# KiCad board delta48m.kicad_pcb (continued)
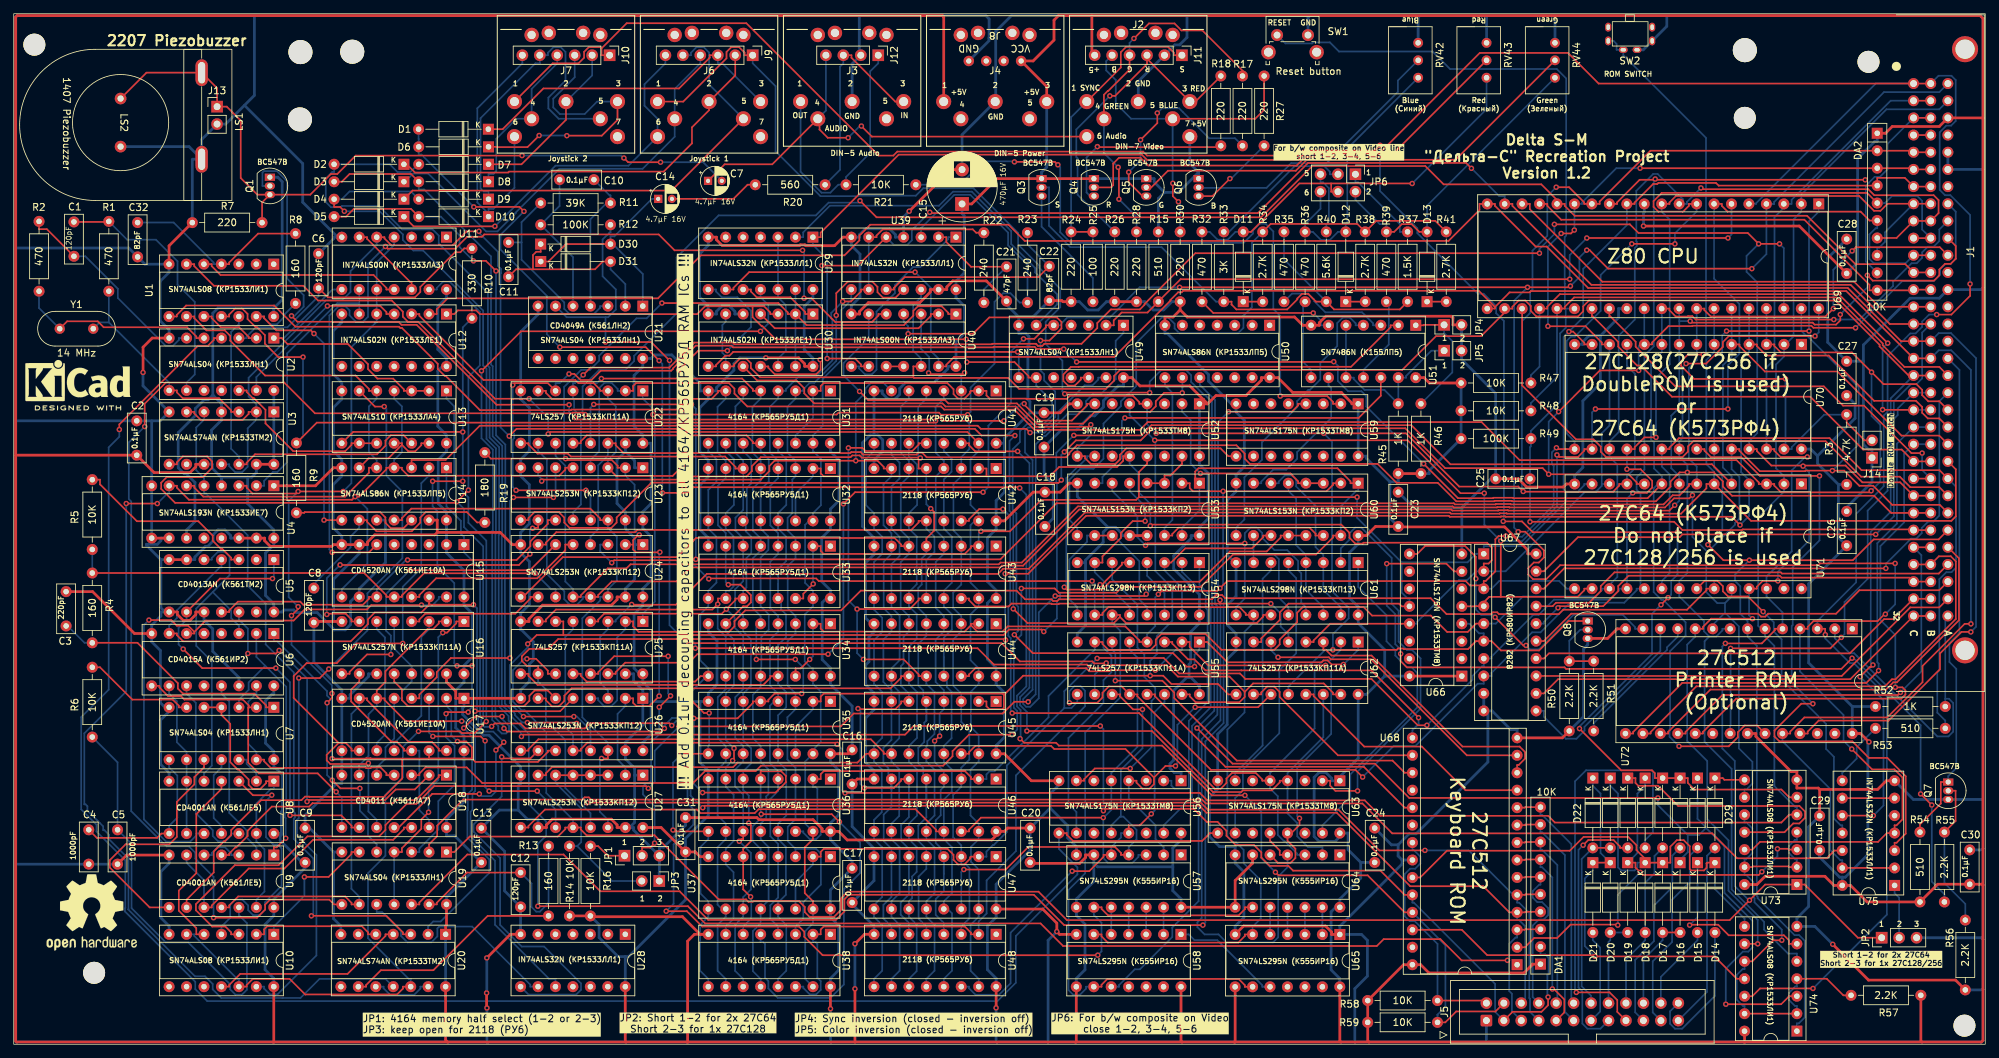
[diagram p0: board, top side]
## Routing (per net, layer and track width the routed paths; a pad name or vN(x,y) marks a point on that pad's centre or on a via; arc(x,y) is an arc through that point) (continued)
Net-(U7-Pad10): length 36.2
  Top w0.25: U9.8 19.78,19.92 13.98,25.72 13.98,26.8 16.29,29.11 22.66,29.11 23.75,30.19 23.75,35.28 26.29,37.82 26.29,38.88 27.7,40.29 U7.10
Net-(U7-Pad11): length 11.7
  Bottom w0.25: U7.11 30.24,40.29 29.11,39.16 29.11,32.93 30.24,31.8 U8.11
Net-(U7-Pad12): length 4.8
  Bottom w0.25: U8.2 35.32,39.42 33.91,40.83 33.91,41.42 U7.12
Net-(U9-Pad3): length 6.3
  Bottom w0.25: U9.5 28.83,27.54 28.83,27.82 29.69,28.69 30.74,28.69 31.65,27.77 31.65,27.54 U9.3
Net-(U10-Pad1): length 19.9
  Top w0.25: v1(42.31,24.36) 45.83,24.36 49.17,27.7 49.17,27.98 U19.6
  Bottom w0.25: v1(42.31,24.36) 42.31,21.58 37.86,17.13 U10.1
Net-(U10-Pad3): length 207.7
  Top w0.25: v1(147.67,49.85) 145.66,49.85 143.95,48.14 122.27,48.14 120.39,46.26 v1(96.85,46.26) ; U10.3 31.65,16 31.65,16.29 30.8,17.13 28.89,17.13 26.52,19.5 26.52,20.4 32.19,26.06 38.56,26.06 42.75,30.26 53.19,30.26 54.11,31.18 54.11,31.91 57.19,34.99 58.62,34.99 61.2,37.58 92.05,37.58 v1(92.37,37.25)
  Bottom w0.25: v1(147.67,49.85) 148.77,50.95 148.77,87.32 150,88.55 150.2,88.55 153.36,91.71 153.36,91.71 154.97,91.71 156.09,92.83 156.09,93.62 157.11,94.63 158.24,94.63 160.42,96.81 160.42,102.4 161.54,103.52 U49.1 ; v1(92.37,37.25) 93.3,38.18 93.3,42.72 v1(96.85,46.26)
Net-(U10-Pad4): length 36.8
  Top w0.25: U8.3 34.82,36.26 v1(37.56,36.26)
  Bottom w0.25: v1(37.56,36.26) 36.72,35.41 36.72,30.14 37.78,29.08 38.41,29.08 38.99,28.5 38.99,23.08 36.59,20.68 36.59,19.58 35.81,18.79 34.85,18.79 34.12,19.52 34.12,20.21 33.28,21.06 32.28,21.06 31.51,20.29 31.51,18.41 30.24,17.13 U10.4
Net-(U10-Pad5): length 27
  Top w0.25: U10.5 26.57,16 26.57,16.9 24.03,19.44 24.03,22.37 26.57,24.91 26.57,33.5 30.24,37.16 U8.4
Net-(U10-Pad13): length 106.6
  Top w0.25: v1(45.87,54.62) 44.55,53.3 v1(41.5,53.3) ; U13.6 52.58,92.82 v1(53.93,92.82)
  Bottom w0.25: U10.13 36.44,8.39 36.44,8.1 37.3,7.24 38.38,7.24 44.06,12.93 44.06,27.55 41.25,30.36 41.25,32.68 41.5,32.93 v1(41.5,53.3) ; v1(53.93,92.82) 54.25,92.5 54.25,82.76 56.57,80.43 56.57,70.73 51.49,65.64 51.49,60.24 v1(45.87,54.62)
Net-(U11-Pad8): length 39.2
  Top w0.25: 60.46,95.1 56.79,95.1 56.79,95.34 55.24,96.89 52.95,96.89 51.57,98.27 51.57,99 48.64,101.93 39.85,101.93 38.99,102.79 U2.1
  Bottom w0.25: 47.76,109.86 46.39,109.86 39.32,102.79 U2.1
Net-(U11-Pad12): length 11.6
  Top w0.25: U11.6 51.42,117.48 51.42,117.24 57.68,110.98 57.92,110.98 57.92,109.86
Net-(U12-Pad4): length 26.9
  Top w0.25: U12.4 54.25,106.29 54.25,106.57 53.36,107.47 v1(45.67,107.47)
  Bottom w0.25: U2.13 35.32,97.12 v1(45.67,107.47)
Net-(U13-Pad10): length 25.6
  Top w0.25: 52.84,87.48 U13.9 49.17,87.48 49.17,87.25 48.25,86.33 40.69,86.33 36.65,90.37 36.65,92.35 34.95,94.04 34.82,94.04 33.91,94.96 33.91,95.17 U2.12
Net-(U13-Pad11): length 13.9
  Top w0.25: U14.6 51.66,85.28 54.54,85.28 56.5,87.25 ; 56.5,87.25 57.43,86.32 58.45,86.32 59.33,87.2 59.33,87.48 60.46,87.48 ; 56.5,87.25 56.5,87.48 U13.11
Net-(U14-Pad3): length 108.8
  Top w0.25: U14.3 57.91,85.04 62.85,85.04 67.84,90.03 140.33,90.03 140.78,89.58 147.41,89.58 v1(147.95,89.03)
  Bottom w0.25: U49.13 157.88,97.03 157.88,96.75 157.03,95.9 155.88,95.9 152.06,92.08 152.06,91.04 150.05,89.03 v1(147.95,89.03)
Net-(U15A-Q4): length 144.4
  Top w0.25: v1(115.05,108.6) 116.12,108.6 119.59,105.13 124.93,105.13 125.88,106.08 125.88,106.29 U40.5 ; v1(54.11,116.12) 54.44,115.79 64.26,115.79 66,117.53 68.15,117.53 68.5,117.88 93.89,117.88 96.2,115.57 v1(114.84,115.57) ; U15.6 51.72,71.6 v1(46.36,71.6)
  Bottom w0.25: v1(114.84,115.57) 115.05,115.35 v1(115.05,108.6) ; v1(46.36,71.6) 45.95,72 45.95,106.09 47.29,107.42 48.29,107.42 48.88,106.82 48.88,106.1 49.82,105.16 50.84,105.16 51.57,105.89 51.57,113.58 v1(54.11,116.12)
Net-(U15B-Reset): length 87.7
  Top w0.25: 26.29,60.02 25.4,60.92 23.75,60.92 22.92,61.75 v1(19.68,61.75) ; 26.29,60.02 26.29,59.79 U6.6 ; 26.29,60.02 27.94,61.68 40.73,61.68 42.35,63.29 42.35,63.29 51.42,63.29 52.05,63.93 v1(59.36,63.93)
  Bottom w0.25: U15.15 61.88,65.11 61.88,64.83 60.98,63.93 v1(59.36,63.93) ; v1(19.68,61.75) 18.95,61.01 18.95,32.73 22.18,29.5 25.69,29.5 26.57,30.39 26.57,30.67 U8.10
Net-(U16-I0b): length 26.2
  Bottom w0.25: 52.84,39.17 52.84,40.29 54.11,41.57 54.11,43.23 55.38,44.5 U17.5 56.51,50.35 56.51,51.38 57.92,52.79 U16.13 57.92,55.05 55.38,57.59 U16.5
Net-(U16-I1a): length 20.9
  Bottom w0.25: U16.3 60.46,60.41 59.33,59.29 59.33,47.81 55.38,43.86 U17.12
Net-(U16-I1b): length 19.8
  Bottom w0.25: U16.6 52.84,60.41 54.04,59.22 54.04,45.06 52.84,43.86 U17.11
Net-(U18-Pad12): length 44
  Top w0.25: 57.92,31.55 56.79,31.55 56.79,31.31 55.24,29.76 43.58,29.76 39.4,25.58 34.21,25.58 28.83,20.2 28.83,19.92 U9.10
  Bottom w0.25: U9.10 27.7,23.87 25.16,26.41 U9.6
Net-(U19-Pad2): length 214.7
  Top w0.25: U75.12 265.06,28.2 263.93,27.08 250.86,27.08 247.24,30.7 200.67,30.7 196.32,35.05 173.55,35.05 172.98,35.62 84.03,35.62 83.71,35.94 83.1,35.94 82.78,35.62 65.44,35.62 61.64,31.82 61.64,30.29 60.46,29.11 60.46,27.98
Net-(U19-Pad10): length 32.3
  Bottom w0.25: 52.84,20.36 52.84,19.23 53.63,19.23 56.37,16.49 56.37,15.77 57.3,14.84 60.8,14.84 61.67,15.71 61.67,16.87 61.93,17.13 66.73,17.13 75.2,8.67 75.2,8.39 U28.9
Net-(U20A-C): length 97
  Top w0.25: U20.3 56.66,16 56.66,16.29 54.25,18.7 v1(43.33,18.7)
  Bottom w0.25: U3.5 27.7,90.91 26.57,89.78 26.57,83.55 27.7,82.42 U4.5 27.7,80.16 27.98,80.16 34.05,74.1 34.05,66.76 36.67,64.14 36.67,58.21 40.77,54.11 40.77,33.79 40.94,33.61 40.94,33.01 40.77,32.84 40.77,29.89 43.61,27.05 43.61,18.97 v1(43.33,18.7)
Net-(U20A-Q): length 18.9
  Top w0.25: U10.2 36.44,16 36.44,16.72 36.91,17.18 50.68,17.18 51.58,16.29 51.58,16 U20.5
Net-(U20A-~{S}): length 28.4
  Top w0.25: U20.4 54.12,16 54.12,15.77 48.58,10.24 32.97,10.24 31.36,8.63 31.36,8.39 U10.11
Net-(U20B-D): length 142.9
  Top w0.25: U20.12 56.66,8.39 56.66,8.1 55.8,7.24 42.44,7.24 40.16,9.52 34.8,9.52 33.9,8.62 33.9,8.39 U10.12 ; v1(58.92,45.55) 64.96,45.55 65.21,45.3 67.1,45.3 v1(68.79,46.98)
  Bottom w0.25: U13.1 63,93.98 64.12,92.85 64.12,81.66 66.18,79.6 66.18,75.92 68.79,73.31 68.79,46.98 v1(68.79,46.98) ; U10.12 32.78,9.51 32.54,9.51 26.28,15.77 26.28,16 U10.6 ; v1(58.92,45.55) 56.65,43.28 56.65,38.84 54.11,36.3 54.11,27.45 51.57,24.91 51.57,15.45 57.5,9.51 57.79,9.51 U20.12
Net-(U20B-Q): length 32.1
  Top w0.25: R13.2 68.99,18.68 61.09,10.78 53.45,10.78 51.29,8.62 51.29,8.39 U20.9
Net-(U20B-~{R}): length 8.9
  Bottom w0.25: U20.10 53.83,8.39 53.83,8.15 54.78,7.2 58.3,7.2 59.2,8.1 59.2,8.39 U20.13
Net-(U29-Pad2): length 54.7
  Bottom w0.25: U49.6 151.88,107.69 151.88,109.16 148.69,112.35 148.69,112.99 145.2,116.48 145.2,118.37 139.47,124.1 136.73,124.1 134.69,122.06 118.8,122.06 114.92,118.18 114.92,117.48 113.8,117.48
Net-(U29-Pad10): length 12
  Top w0.25: U30.1 115.21,106.29 115.21,106.57 113.05,108.73 108.15,108.73 107.3,109.58 107.3,109.86 106.18,109.86
Net-(U29-Pad12): length 19.8
  Bottom w0.25: U30.12 111.26,99.8 112.4,100.94 112.4,107.59 111.26,108.73 U29.12 U29.3
Net-(U30-Pad4): length 27.8
  Top w0.25: U30.4 110.78,104.23 131.72,104.23 133.5,106.01 133.5,106.29 U40.2
Net-(U30-Pad8): length 49.8
  Top w0.25: U30.8 102.22,98.67 102.22,98.86 103.59,100.23 104.18,100.23 104.73,100.78 v1(146.14,100.78)
  Bottom w0.25: v1(146.14,100.78) 146.3,100.61 U49.8
Net-(U39-Pad1): length 30
  Bottom w0.25: U40.8 123.05,98.67 123.05,98.39 123.94,97.5 124.91,97.5 125.59,98.18 125.59,106.64 128.28,109.33 128.28,110.49 130.91,113.12 131.96,113.12 136.04,117.2 136.04,117.48 U39.1
Net-(U40-Pad6): length 67.2
  Top w0.25: v1(170.11,94.82) 167.46,94.82 166.25,93.61 166.25,92.87 165.44,92.05 157.38,92.05 155.66,90.33 148.98,90.33 146.03,93.28 136.05,93.28 135.59,93.75 124.4,93.75 v1(123.13,95.02)
  Bottom w0.25: U40.6 124.47,102.8 120.8,99.14 120.8,97.35 v1(123.13,95.02) ; U50.9 170.12,94.83 v1(170.11,94.82)
Net-(U40-Pad10): length 2.5
  Top w0.25: U40.11 U40.10
Net-(U49-Pad12): length 57.4
  Top w0.25: U51.2 200.43,104.65 200.43,104.37 194.67,98.61 155.05,98.61 155.02,98.59 153.89,98.59 152.8,97.5 152.8,96.56 153.49,95.87 154.46,95.87 155.34,96.75 155.34,97.03 U49.12
Net-(U52-Q0): length 29.9
  Top w0.25: v1(172.76,83.09) 185.83,83.09 186.97,81.95 186.97,81.66 U60.4 U60.3
  Bottom w0.25: U52.2 170.06,92.09 171.33,90.82 171.33,84.51 v1(172.76,83.09)
Net-(U52-Q2): length 60.3
  Top w0.25: v1(152.93,66.53) 153.29,66.17 158.44,66.17 159.59,67.32 172.64,67.32 177.05,71.73 182.4,71.73 184.43,73.76 184.43,74.04 U60.12 U60.13
  Bottom w0.25: U52.10 156.24,85.6 156.24,85.35 155.11,84.23 155.04,84.23 153.23,82.41 153.23,66.83 v1(152.93,66.53)
Net-(U52-Q3): length 8
  Top w0.25: U52.15 170.06,84.47 168.38,82.79 167.52,82.79 U53.3 U53.4
Net-(U53-I0a): length 56.9
  Top w0.25: v1(179.21,72.91) 165.05,72.91 v1(164.76,72.62)
  Bottom w0.25: U61.13 188.1,63.61 187.42,64.29 187.42,68.56 186.97,69.01 186.97,70.34 185.38,71.93 183.52,71.93 181.75,73.7 181.75,74.41 180.95,75.2 180.02,75.2 179.21,74.39 v1(179.21,72.91) 179.21,64.88 177.94,63.61 U61.9 ; v1(164.76,72.62) 163.57,73.81 163.57,76.87 159.9,80.54 U53.6
Net-(U53-I0b): length 30.5
  Top w0.25: U53.11 U53.10
  Bottom w0.25: U53.11 160.12,74.04 163.86,70.31 163.86,64.74 164.98,63.61 U54.13 ; U53.10 156.24,74.04 156.24,73.13 153.68,70.57 153.68,64.76 154.82,63.61 U54.9
Net-(U53-I1a): length 27
  Top w0.25: U54.7 158.49,70.11 158.49,71.02 161.17,73.7 161.17,74.43 162.89,76.14 v1(164.7,76.14)
  Bottom w0.25: U54.12 162.44,63.62 157.36,68.7 U54.7 ; U53.5 162.44,80.54 164.7,78.28 v1(164.7,76.14)
Net-(U53-S0): length 48.3
  Top w0.25: U60.14 189.51,74.04 189.51,74.33 188.65,75.18 169.56,75.18 168.65,74.28 168.65,74.04 U53.14
  Bottom w0.25: U53.14 167.52,75.17 168.67,76.32 168.67,94.82 167.58,95.9 U50.8
Net-(U53-Za): length 53.2
  Top w0.25: U51.12 199.01,94.4 195.78,91.16 v1(161.75,91.16)
  Bottom w0.25: U53.7 158.49,81.66 158.49,82.58 161.31,85.4 161.31,90.72 v1(161.75,91.16)
Net-(U53-Zb): length 96.6
  Top w0.25: R41.1 206.93,119.85 198.34,119.85 R38.1 195.58,119.4 182.97,119.4 R34.1
  Bottom w0.25: R34.1 180.24,116.67 180.24,107.29 179.01,106.05 179.01,104.27 178.22,103.49 169.69,103.49 168.99,104.18 168.99,104.86 168.06,105.79 167.12,105.79 163.41,102.07 163.41,95.82 161.17,93.58 161.17,92.89 158.63,90.35 158.63,85.22 157.18,83.77 155.27,83.77 153.68,82.18 153.68,76.32 154.82,75.17 U53.9
Net-(U54-I0a): length 25.9
  Top w0.25: U54.3 168.46,70.11 170.54,72.18 180.26,72.18 181.89,73.81 181.89,74.04 183.02,74.04
  Bottom w0.25: U54.3 167.52,68.98 170.06,66.44 U54.15
Net-(U54-I0b): length 132.3
  Top w0.25: v1(164.85,65.52) 164.59,65.25 v1(151.6,65.25) ; v1(149.47,102.43) 150.78,102.43 152.51,104.17 152.51,105.14 151.86,105.8 142.02,105.8 139.65,103.42 v1(130.2,103.42)
  Bottom w0.25: U40.4 129.55,105.16 130.2,104.51 v1(130.2,103.42) ; 166.26,66.92 164.98,68.2 U54.4 ; 166.26,66.92 167.52,65.66 U54.14 ; 166.26,66.92 v1(164.85,65.52) ; v1(151.6,65.25) 149.22,62.86 149.22,50.36 147.98,49.12 147.37,49.12 146.94,49.55 146.94,50.24 148.31,51.61 148.31,85.04 147.21,86.14 147.21,89.35 147.63,89.77 150.07,89.77 151.61,91.31 151.61,95.01 149.99,96.62 149.99,97.54 149.47,98.07 v1(149.47,102.43)
Net-(U54-I1a): length 40
  Bottom w0.25: U56.2 168.52,38.36 168.52,37.65 168.96,37.22 170.87,37.22 171.07,37.41 171.07,47.08 173.79,49.8 173.79,63.26 173.52,63.53 173.52,65.32 170.06,68.78 U54.2
Net-(U54-I1b): length 42.9
  Bottom w0.25: U56.15 167.4,31.86 171.52,35.99 171.52,46.33 174.25,49.05 174.25,63.44 173.97,63.71 173.97,65.51 172.6,66.88 U54.1
Net-(U54-I1c): length 45.7
  Top w0.25: U54.5 161.32,70.11 161.32,69.8 158.41,66.9 v1(158.14,66.9)
  Bottom w0.25: v1(158.14,66.9) 158.63,66.4 158.63,57.71 159.78,56.56 159.78,54.15 158.63,53 158.63,49.67 153.53,44.57 153.53,34.97 154.7,33.81 U56.10
Net-(U54-I1d): length 42.8
  Top w0.25: v1(162.53,40.14) 157.38,40.14 155.82,38.59 155.82,38.36 U56.7
  Bottom w0.25: U54.6 159.9,67.67 163.58,63.99 163.58,57.75 164.59,56.74 164.59,53.46 166.17,51.87 166.17,50.52 165.63,49.98 165.63,43.24 v1(162.53,40.14)
Net-(U57-Q0): length 4
  Bottom w0.25: U58.2 167.38,18.81 167.39,18.82 U57.13
Net-(U57-Q1): length 4
  Bottom w0.25: U57.12 164.85,17.13 164.84,17.12 U58.3
Net-(U57-Q2): length 4
  Bottom w0.25: U57.11 162.31,17.13 162.3,17.12 U58.4
Net-(U57-Q3): length 4
  Bottom w0.25: U57.10 159.77,17.13 159.76,17.12 U58.5
Net-(U58-Ds): length 16.3
  Bottom w0.25: U65.10 181.75,8.36 181.75,8.59 175.19,15.15 171.89,15.15 171.05,15.99 U58.1
Net-(U58-Q3): length 97.3
  Bottom w0.25: U58.10 160.89,8.37 160.89,8.6 163.19,10.91 163.95,10.91 168.65,15.62 168.65,17 172.48,20.83 172.48,45.23 175.21,47.97 175.21,63.75 174.87,64.09 174.87,65.88 174.87,65.88 174.87,93.77 172.74,95.9 172.66,95.9 U50.10
Net-(U59-Q0): length 99.6
  Top w0.25: v1(152,128.01) 151.56,128.44 v1(145.67,128.44) ; v1(184.37,94.35) 191.2,94.35 192.05,93.5 192.05,93.22 U59.2
  Bottom w0.25: v1(145.67,128.44) 145.6,128.51 141.15,128.51 137.74,125.11 R21.1 ; v1(152,128.01) 152.34,127.67 152.34,118.2 153.88,116.66 179.06,116.66 180.4,118 180.4,118.46 181.37,119.43 182.23,119.43 183.36,118.3 183.36,107.02 184.37,106.02 v1(184.37,94.35)
Net-(U60-I0a): length 26.9
  Bottom w0.25: 183.02,81.66 184.14,81.66 184.14,81.9 185.05,82.8 186.07,82.8 186.68,82.19 186.68,81.2 189.51,78.37 189.51,72.36 190.64,71.23 U61.3 190.64,66.15 193.18,63.61 U61.15
Net-(U60-I0b): length 16.6
  Bottom w0.25: U61.7 180.48,71.27 ; 180.48,71.27 183.5,71.27 184.16,70.61 184.16,65.01 185.56,63.61 U61.12 ; 180.48,71.27 U60.10
Net-(U60-I1a): length 21.3
  Bottom w0.25: U60.5 185.56,80.54 186.68,79.41 186.68,72.65 188.1,71.23 U61.4 188.1,66.15 190.64,63.61 U61.14
Net-(U60-Za): length 22
  Bottom w0.25: U60.7 181.6,81.66 181.6,81.9 183.33,83.63 185.24,83.63 186.83,85.22 186.83,86.2 191.78,91.15 191.78,95.52 191.39,95.9 U51.9
Net-(U60-Zb): length 41.9
  Bottom w0.25: U60.9 177.94,75.17 179.15,76.38 179.15,82.52 181.7,85.07 181.7,87.61 186.83,92.74 186.83,93.62 188.45,95.25 188.69,95.25 190.2,96.76 190.2,99.16 192.66,101.63 192.66,104.98 193.47,105.78 194.5,105.78 195.35,104.93 195.35,104.65 U51.4
Net-(U61-I1a): length 59.1
  Top w0.25: v1(195.62,36.88) 192.41,36.88 191.63,37.65 191.63,38.36 190.51,38.36
  Bottom w0.25: v1(195.62,36.88) 195.62,39.7 204.8,48.87 204.8,56.16 203.56,57.4 202.81,57.4 201.6,58.6 201.6,63.09 200.59,64.1 200.59,70.79 196.18,75.21 195.28,75.21 194.45,74.37 194.45,73.44 193.18,72.17 U61.2
Net-(U61-I1b): length 49
  Bottom w0.25: U61.1 195.72,66.57 199.84,62.45 199.84,58.65 201.12,57.37 201.12,56.58 202.84,54.86 203.51,54.86 204.32,54.05 204.32,49.03 194.56,39.28 194.56,35.92 190.51,31.86 190.51,30.74
Net-(U61-I1c): length 43.5
  Bottom w0.25: U61.5 185.56,68.98 186.69,67.85 186.69,56.91 184.23,54.45 184.23,45.26 178.93,39.96 178.93,36.96 177.81,35.84 U63.10
Net-(U61-I1d): length 33.9
  Bottom w0.25: 183.02,70.11 183.02,68.98 181.8,67.77 181.8,43.48 177.81,39.48 U63.7
Net-(U64-Q0): length 4
  Bottom w0.25: U65.2 190.5,18.81 190.51,18.82 190.51,19.94
Net-(U64-Q1): length 4
  Bottom w0.25: U64.12 187.97,17.11 187.96,17.11 U65.3
Net-(U64-Q2): length 4
  Bottom w0.25: U65.4 185.42,17.11 185.43,17.11 U64.11
Net-(U64-Q3): length 4
  Bottom w0.25: U65.5 182.88,17.11 182.89,17.11 U64.10
Net-(U66-Cp): length 48.2
  Top w0.25: v1(212.84,67.77) 212.84,70.96 211.28,72.52 205.46,72.52 204.31,71.37 U66.9 ; v1(220.15,58.05) 219.75,58.05 v1(215.64,62.15)
  Bottom w0.25: v1(212.84,67.77) 212.84,63.28 213.63,62.5 215.3,62.5 v1(215.64,62.15) ; U72.13 236.03,60.47 236.03,60.71 234.24,62.5 227.04,62.5 222.04,57.5 220.7,57.5 v1(220.15,58.05)
Net-(U66-Q1): length 134.4
  Top w0.25: v1(267.61,56.2) 266.05,54.64 225.97,54.64 225.75,54.87 202.8,54.87 201.9,55.76 v1(201.9,56.83) ; v1(277.59,36.45) v1(279.21,34.82) ; v1(199.87,69.95) 208.55,69.95 209.67,68.83 U66.7
  Bottom w0.25: v1(199.87,69.95) 199.87,63.85 201.12,62.6 201.12,58.24 201.9,57.45 v1(201.9,56.83) ; v1(279.21,34.82) 279.21,23.68 281.05,21.84 R55.2 ; v1(267.61,56.2) 267.84,56.2 277.59,46.44 v1(277.59,36.45)
Net-(U67-STB): length 29.1
  Bottom w0.25: U72.12 239.7,57.25 228.66,46.2 228.66,45.64 227.48,44.47 225.95,44.47 222.74,47.68 222.74,48.53 U67.11
Net-(U72-D0): length 19.9
  Bottom w0.25: R51.2 230,46.73 240.66,57.4 240.66,57.77 242.24,59.35 U72.11
Net-(U75-Pad6): length 7.6
  Top w0.25: U75.6 U75.9
unconnected-(J1-Pad4): length 2.5
  Top w0.25: 279.06,132.34 276.56,132.34

## Text on the board
B.Silkscreen: or | CD4049A (К561ЛН2) | 4164 (КР565РУ5Д1) | 27C256 / (if DoubleROM is used) / or / 27C64 (К573РФ4) | !!! Add 0.1uF decoupling capacitors to all 4164/КР565РУ5Д RAM ICs !!! | БПК {dblquote}Дельта-С{dblquote} / Recreation Project / Version 1.2 / Board Design by MadCat, 2023-24 / https://github.com/madcatse/Delta-S-M / t.me/zx_delta_s / https://www.youtube.com/@MadCatSE
F.Silkscreen: CD4049A (К561ЛН2) | CD4015A (К561ИР2) | SN74ALS193N (КР1533ИЕ7) | SN74ALS08 (КР1533ЛИ1) | SN74ALS04 (КР1533ЛН1) | SN74ALS74AN (КР1533ТМ2) | СD4001АN (К561ЛЕ5) | СD4013АN (К561ТМ2) | IN74ALS02N (КР1533ЛЕ1) | SN74ALS10 (КР1533ЛА4) | IN74ALS00N (КР1533ЛА3) | SN74ALS86N (КР1533ЛП5) | CD4011 (К561ЛА7) | CD4520АN (К561ИЕ10A) | SN74ALS257N (КР1533КП11А) | 1 | 6 | 4 | 2 | IN74ALS32N (КР1533ЛЛ1) | 74LS257 (КР1533КП11А) | SN74ALS253N (КР1533КП12) | 5 | 3 | 7 | 4164 (КР565РУ5Д1) | OUT | AUDIO | GND | IN | 2118 (КР565РУ6) | +5V | S | 1 SYNC | R | 6 Audio | 4 GREEN | SN74ALS175N (КР1533ТМ8) | SN74LS295N (К555ИР16) | SN74ALS153N (КР1533КП2) | 2 GND | SN74ALS298N (КР1533КП13) | G | 5 BLUE | RED | B | RESET | For b/w composite on Video line / short 1-2, 3-4, 5-6 | SN7486N (К155ЛП5) | Blue / (Синий) | Red / (Красный) | Green / (Зеленый) | ROM SWITCH | Short 1-2 for 2x 27C64 / Short 2-3 for 1x 27C128/256 | 8282 (КР580ИР82) | Double ROM switch | +5 | Blue | Red | Green | JP1: 4164 memory half select (1-2 or 2-3) / JP3: keep open for 2118 (РУ6) | JP4: Sync inversion (closed - inversion off) / JP5: Color inversion (closed - inversion off) | JP2: Short 1-2 for 2x 27C64 / Short 2-3 for 1x 27C128 | JP6: For b/w composite on Video / close 1-2, 3-4, 5-6 | 10K | !!! Add 0.1uF decoupling capacitors to all 4164/КР565РУ5Д RAM ICs !!! | 2207 Piezobuzzer | Delta S-M / {dblquote}Дельта-С{dblquote} Recreation Project / Version 1.2 | Z80 CPU | 27С128(27C256 if / DoubleROM is used) / or / 27C64 (К573РФ4) | 27C64 (К573РФ4) / Do not place if / 27C128/256 is used | 27C512 / Printer ROM / (Optional) | 27C512 / Keyboard ROM
